# Altium PCB flight controller rev2.PcbDoc (part 2 of 3) (continued)
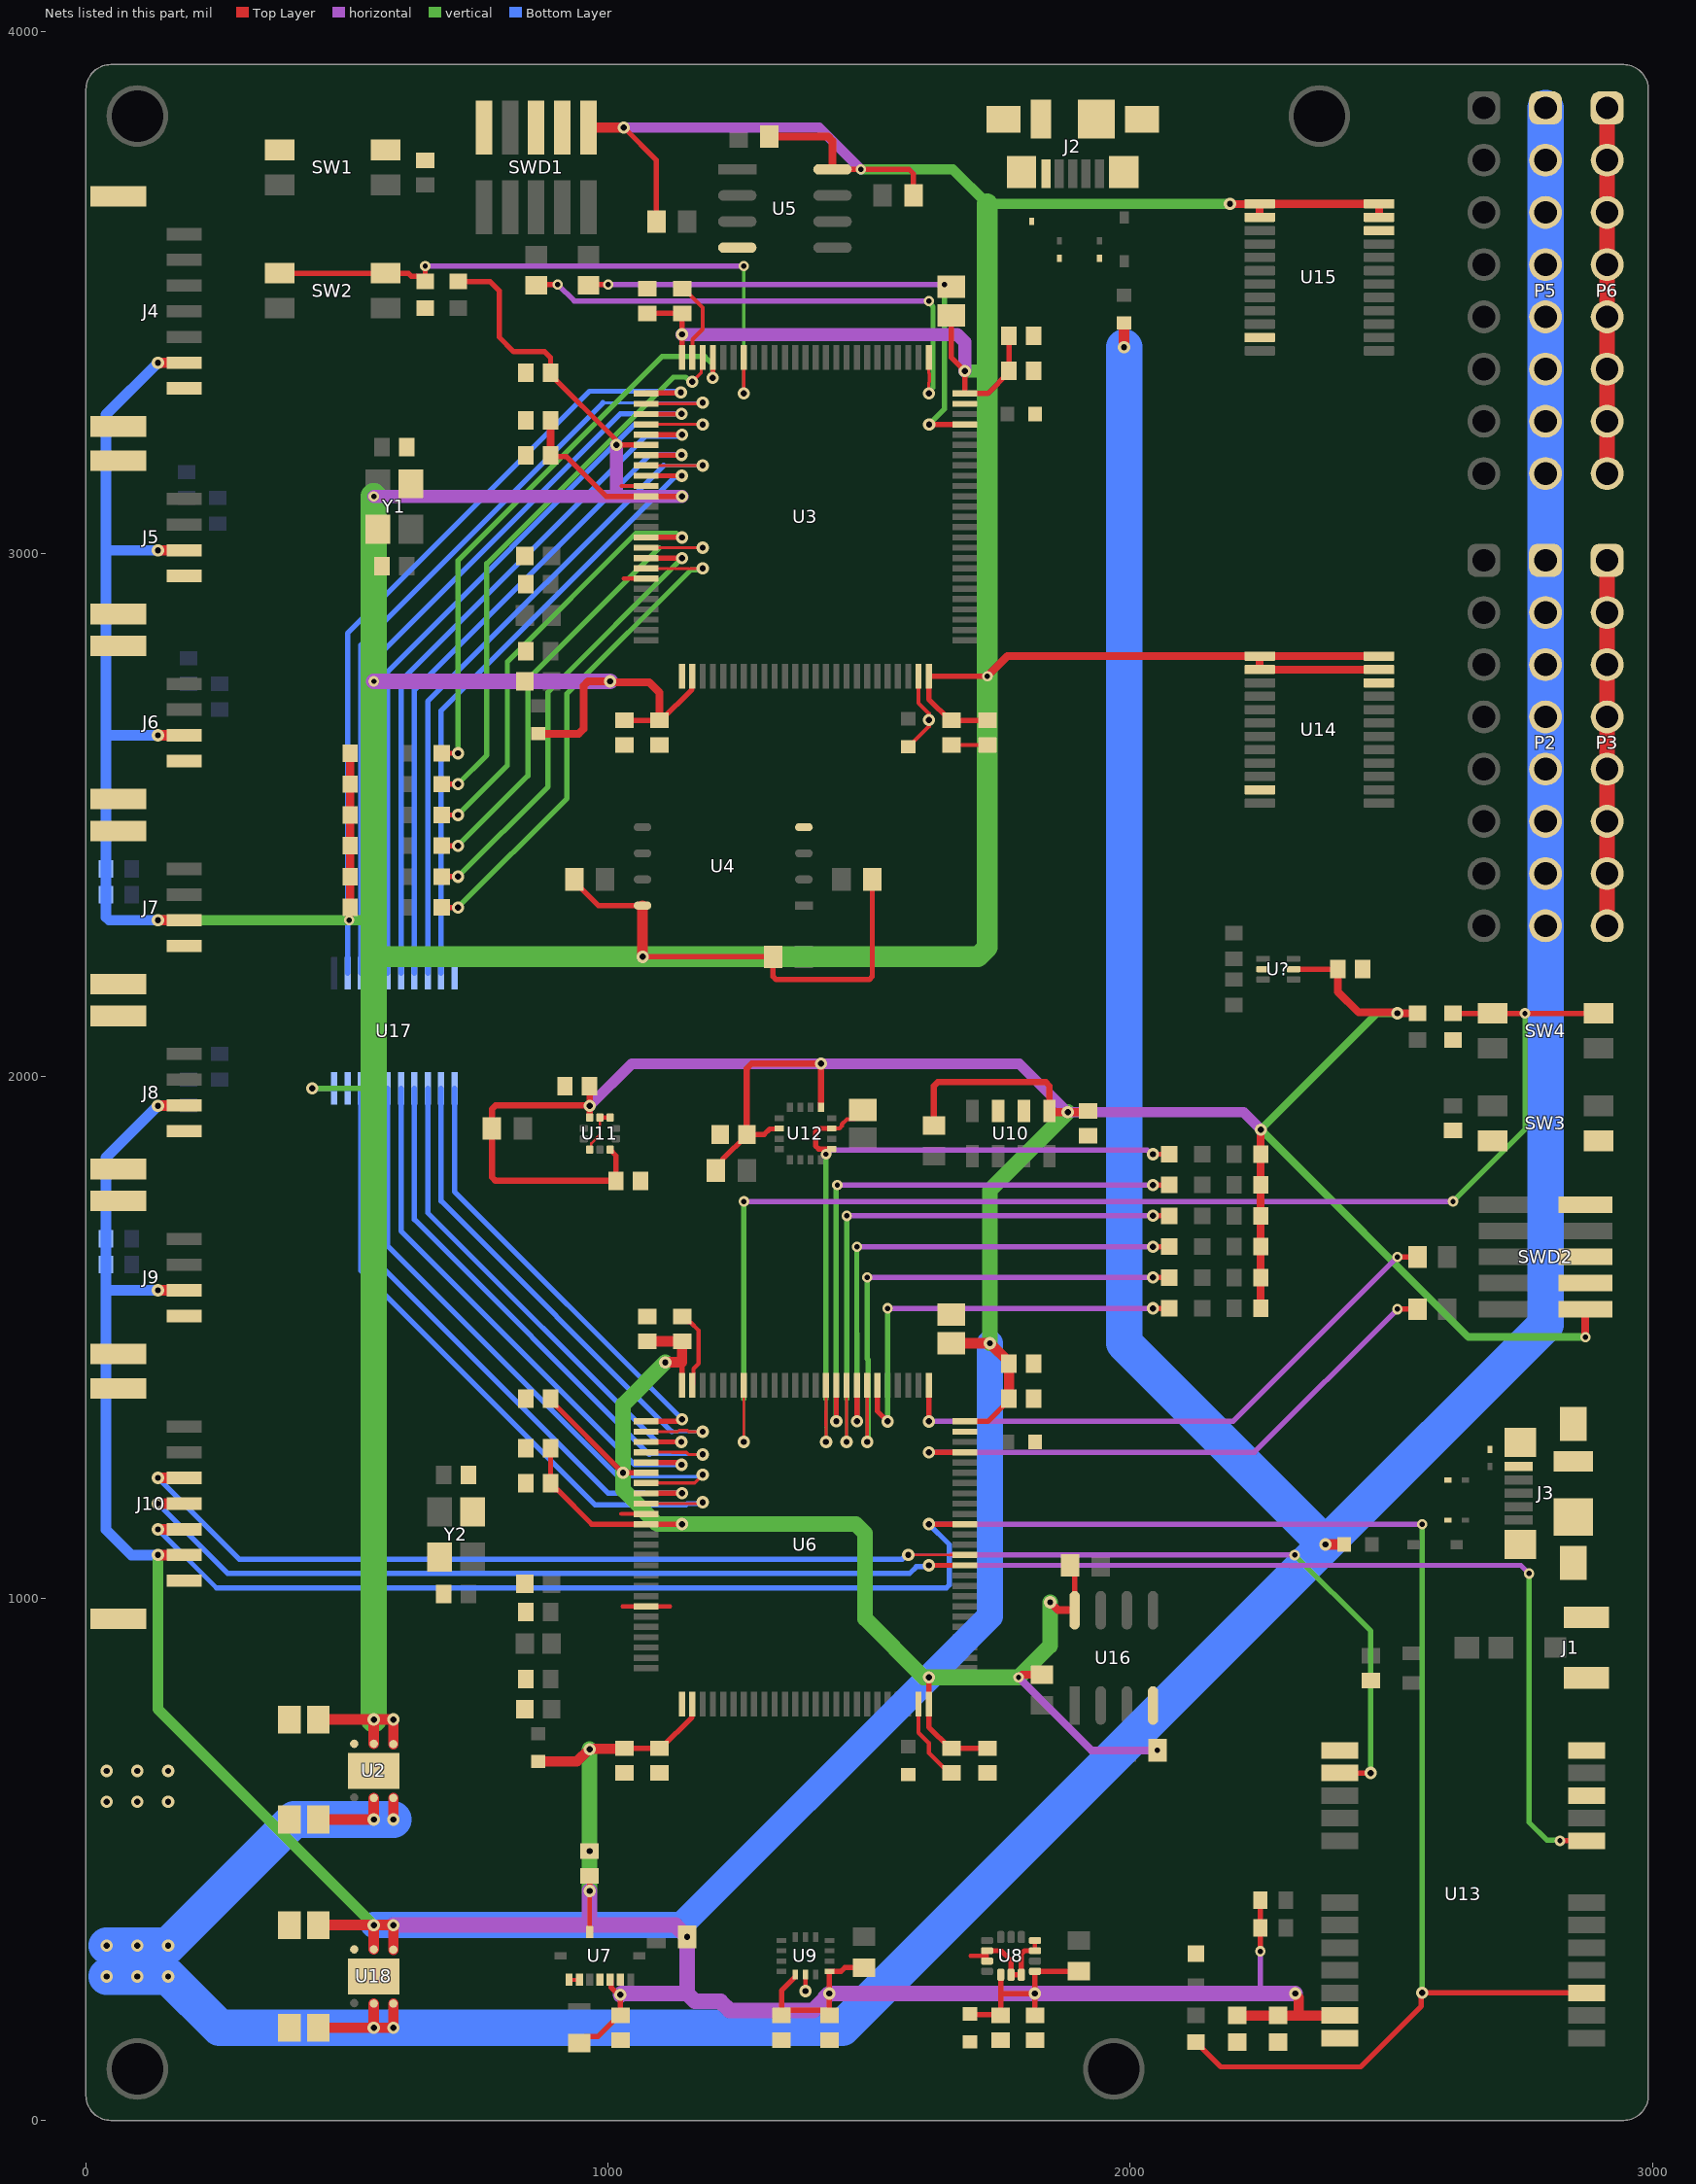
[diagram p4: the nets of this part, all layers, seen from the top]
## Part data (continued)
U17: library part CMP-0775-00065-4, "IC 2.5/3.3V FET BUS SW 20-TSSOP", Case/Package=TSSOP, High Level Output Current=-128mA, Low Level Output Current=128mA, Max Operating Temperature=85°C, Max Supply Voltage=3.6V, Min Operating Temperature=-40°C, Min Supply Voltage=2.3V, Nominal Supply Current=40uA, On-State Resistance=8.5R, Output Current=64mA, Package Quantity=1, Bandwidth=100MHz, Contact Plating=Gold, Independent Circuits=1, Lead Free="Lead Free", Mount="Surface Mount", Number of Bits=8, Number of Channels=8, Number of Elements=1, Number of Pins=20, Number of Switches=8, Packaging="Tape and Reel", Polarity=Non-Inverting, Propagation Delay=10.5ns, Quiescent Current=40uA, Radiation Hardening=No, RoHS Compliant=Yes, Series=74CB, Supply Current=40uA, Supply Type=Single, Technology=CMOS, Throw Configuration=SPST, Turn-On Delay Time=10.5ns, Weight=0.002716oz
U?: library part CMP-0859-00812-4, "IC BUFFER NON-INVERT 5.5V 6SOT", Case/Package=SOT, High Level Output Current=-32mA, Low Level Output Current=32mA, Max Operating Temperature=125°C, Max Supply Voltage=5.5V, Min Operating Temperature=-40°C, Min Supply Voltage=1.65V, Package Quantity=4000, Quiescent Current=10uA, Contact Plating=Gold, Lead Free="Lead Free", Logic Function=Buffer, Mount="Surface Mount", Number of Bits=2, Number of Bits per Element=1, Number of Channels=2, Number of Elements=2, Number of Gates=2, Number of Input Lines=2, Number Of Inputs=2, Number of Output Lines=2, Number of Outputs=2, Number of Pins=6, Packaging="Tape and Reel", Polarity=Non-Inverting, Propagation Delay=8.6ns, Radiation Hardening=No, REACH SVHC="No SVHC", RoHS Compliant=Yes, Series=74LVC, Technology=CMOS, Turn-On Delay Time=8.6ns
Y1 Y2: library part CMP-200220-000002-1, "CRYSTAL 25.0000MHZ 8PF SMD", Frequency=25MHz, Load Capacitance=8pF, Manufacturer=NDK, Package=NX3225SA, Temperature="-40°C to +125°C", Temperature Range High=+125°C, Temperature Range Low=-40°C, Tolerance=15ppm, Automotive=Yes, Automotive Grade="Grade 1", Category=Crys, ComponentLink2Description=Datasheet, ComponentLink2URL=https://www.ndk.com/images/products/catalog/c_NX3225SA-STD-CRS-2_e.pdf, Device Class L1="Passive Components", Device Class L2="Crystals / Oscillators", Device Class L3=Crystals, Digikey Description="CRYSTAL 25.0000MHZ 8PF SMD", Esr=100Ω, Height=0.6mm, Lead Free=Yes, Manufacturer Part Number=NX3225SA-25.000M-STD-CRS-2, Octopart=https://octopart.com/nx3225sa-25.000m-std-crs-2-ndk-51374293, RoHS=TRUE, Series=NX3225SA

## Free pads (board coordinates)
  round 118.11 hole 98.43: 1(98.43,3838.58) 2(2362.2,3838.58) 3(1968.5,98.43) 4(98.43,98.43)

## Via types
v1: diameter 23.62, hole 11.81, Top Layer to vertical, 133 vias
v2: diameter 23.62, hole 11.81, Top Layer to Bottom Layer, 86 vias
v3: diameter 20, hole 10, horizontal to vertical, 32 vias
v4: diameter 20, hole 10, Top Layer to vertical, 19 vias
v5: diameter 20, hole 10, Top Layer to horizontal, 12 vias
v6: diameter 23.62, hole 11.81, Top Layer to horizontal, 9 vias
v7: diameter 20, hole 10, vertical to Bottom Layer, 2 vias
v8: diameter 23.62, hole 11.81, horizontal to Bottom Layer, 1 vias

## Nets (pads, with @x,y where several pads share a name; then routed paths per layer and width w, separated by ;. In a path a pad name is that pad's centre, name@x,y a point inside that pad or via, vN(x,y) a via of type N, cw(c..) or ccw(c..) an arc to the next point about the centre after c; other vN are vias at no path point)
3V3_A: C1.1 C2.1 C3.1 C4.1 C5.1 C6.1 C7.1 C8.1 C9.1 C10.1 C11.1 C12.1 C58.1 FB1.1 J4.6 J5.3 J6.3 J7.3 R1.2 R2.1 R5.2 R6.2 R7.2 R8.2 R9.2 R10.2 R36.1 R39.1 R40.1 R41.1 R42.1 R43.1 R44.1 SWD1.1 U2.1 U2.2 U3.6 U3.11 U3.27 U3.50 U3.75 U3.100 U4.8 U5.8 U14.1 U14.2 U14.23 U14.24 U15.1 U15.2 U15.23 U15.24 U17.20 | length 15861.1
  Top Layer w10: R36.1@712.58,3521.65 773.62,3521.65 791.34,3503.94 791.34,3415.31 819.41,3387.24 878.49,3387.24 889.75,3375.98 C2.1@889.75,3346.46 ; C12.1@889.75,3186.02 920.43,3186.02 996.21,3110.24 U3.11@1072.82,3110.24 v1(1141.72,3110.24) ; C2.1@889.75,3343.5 1013.14,3220.11 1013.14,3211.27 v6(1015.75,3208.66) U3.6@1072.82,3208.66 ; R6.2@935.02,2376.58 935.02,2372.64 981.09,2326.58 U4.8@1065.91,2326.58 ; v1(1029.91,3816.54) 1092.5,3753.94 R8.2@1092.5,3636.42 ; C9.1@1031.48,2681.1 C10.1@1098.41,2681.1 ; v1(1065.91,2228.35) R7.2@1315.95,2228.35 1315.95,2190.58 1321.81,2184.72 1500.03,2184.72 1505.89,2190.58 R5.2@1505.89,2376.58 ; C3.1@1074.79,3460.63 C4.1@1141.72,3460.63 v1(1141.72,3420.28) U3.100@1141.72,3375.98 ; C10.1@1101.36,2681.1 1160.5,2740.24 1160.5,2764.84 U3.27@1161.4,2765.75 ; U5.8@1429.75,3736.42 v4(1484.16,3736.42) 1576.53,3736.42 1584.63,3728.31 R9.2@1584.63,3686.42 ; C1.1@1657.47,3456.69 1657.47,3375.98 v1(1683.06,3350.39) U3.75@1683.06,3307.09 1727.35,3307.09 1767.7,3347.44 C5.1@1767.7,3350.39 C6.1@1767.7,3420.28 ; C7.1@1726.36,2681.1 C8.1@1657.47,2681.1 1654.51,2681.1 1614.16,2721.46 U3.50@1614.16,2765.75 1614.28,2765.87 v4(1726.36,2765.87)
  Top Layer w15: v4(503.94,2298.23) 504.89,2299.18 504.89,2321.84 R44.1@505.89,2322.84 R43.1@505.89,2381.89 R42.1@505.89,2440.95 R41.1@505.89,2500 R40.1@505.89,2559.06 R39.1@505.89,2618.11 ; FB1.1@866.13,2655.72 943.95,2655.72 952.74,2664.51 952.74,2747.12 961.53,2755.91 v1(1003.92,2755.91) 1005.57,2754.26 1078.49,2754.26 1098.41,2734.33 C10.1@1098.41,2681.1 ; C12.1@889.75,3188.98 C11.1@889.75,3255.91 ; R10.2@1309.04,3799.21 1420.96,3799.21 1429.75,3790.43 U5.8@1429.75,3736.42 ; v4(1726.36,2765.87) 1764.62,2804.13 U14.1@2248.02,2804.13 ; v1(2190.88,3670.08) 2190.98,3670.18 2247.92,3670.18 U15.1@2248.02,3670.28 ; U15.2@2248.02,3644.69 U15.1@2248.02,3670.28 ; U14.23@2476.36,2778.54 U14.2@2248.02,2778.54 U14.1@2248.02,2804.13 ; U14.24@2476.36,2804.13 U14.1@2248.02,2804.13 ; U15.23@2476.36,3644.69 U15.24@2476.36,3670.28 U15.1@2248.02,3670.28
  Top Layer w20: v2(137.8,2298.23) J7.3@187.99,2298.23 ; v2(137.8,2652.56) J6.3@187.99,2652.56 ; v2(137.8,3006.89) J5.3@187.99,3006.89 ; v2(137.8,3366.14) J4.6@187.99,3366.14 ; C58.1@444.88,767.72 v2(551.18,767.72) ; U2.2@551.18,721.32 v2(551.18,767.72) ; U2.1@588.58,720.47 v2(588.58,767.72) v2(551.18,767.72) ; SWD1.1@962.19,3816.54 v1(1029.91,3816.54) ; v1(1065.91,2228.35) U4.8@1065.91,2326.58
  horizontal w20: v1(1029.91,3816.54) 1404.04,3816.54 v4(1484.16,3736.42)
  horizontal w25: v3(551.18,3110.24) 1015.75,3110.24 ; v6(1015.75,3208.66) 1015.75,3110.24 ; v1(1141.72,3110.24) 1015.75,3110.24 ; v1(1141.72,3420.28) 1668.41,3420.28 1683.06,3405.63 v1(1683.06,3350.39)
  horizontal w30: v3(551.18,2755.91) v1(1003.92,2755.91)
  vertical w10: v8(433.07,1976.38) 550.54,1976.38 551.18,1977.02
  vertical w20: v2(137.8,2298.23) v4(503.94,2298.23) 540.35,2298.23 ; v4(1484.16,3736.42) 1660.02,3736.42 1726.36,3670.08 v1(2190.88,3670.08)
  vertical w25: v1(1683.06,3350.39) 1722.82,3350.39 1726.36,3353.94
  vertical w40: 551.18,2228.35 v1(1065.91,2228.35) 1708.79,2228.35 1726.36,2245.92 v4(1726.36,2765.87) 1726.36,3353.94 1726.36,3670.08
  vertical w50: v2(551.18,767.72) 551.18,1977.02 551.18,2228.35 v3(551.18,2755.91) v3(551.18,3110.24)
  Bottom Layer w10: 38.39,2652.07 38.88,2652.56 ; v8(433.07,1976.38) U17.20@475.38,1976.38
  Bottom Layer w20: 38.88,2652.56 v2(137.8,2652.56) ; v2(137.8,2298.23) 44.24,2298.23 38.39,2304.09 R2.1@38.39,2347.44 R1.2@38.39,2396.65 38.39,2652.07 38.39,3006.89 ; v2(137.8,3006.89) 38.39,3006.89 ; v2(137.8,3366.14) 38.39,3266.73 38.39,3006.89
3V3_B: C21.1 C22.1 C23.1 C24.1 C25.1 C26.1 C27.1 C28.1 C29.1 C30.1 C31.1 C32.1 C41.1 C42.1 C43.1 C44.1 C45.1 C46.1 C47.1 C48.1 C50.1 C51.1 C52.2 C53.2 C57.1 C61.1 C?.1 FB2.1 J8.3 J9.3 J10.6 R3.2 R4.2 R13.1 R14.1 R17.2 R18.2 R19.2 R20.2 R21.2 R22.2 R23.2 R24.2 R25.2 R26.2 R38.1 R45.1 R46.1 R47.1 R48.1 R49.1 R50.1 SWD2.1 U6.6 U6.11 U6.27 U6.50 U6.75 U6.100 U7.3 U7.11 U8.5 U8.8 U9.5 U9.8 U10.1 U11.5 U11.10 U12.2 U12.13 U13.23 U16.8 U18.1 U18.2 U?.5 | length 16987.9
  Top Layer w8: U7.11@964.55,360.83 v1(964.55,439.42)
  Top Layer w10: C31.1@889.75,1287.4 C32.1@889.75,1220.47 889.75,1217.52 899.51,1207.76 902.47,1207.76 968.49,1141.73 U6.11@1072.82,1141.73 1072.88,1141.8 1141.65,1141.8 v1(1141.72,1141.86) ; C22.1@889.75,1381.89 889.75,1378.94 v1(1028.53,1240.16) U6.6@1072.82,1240.16 ; R20.2@944.87,147.64 957.58,160.35 980.22,160.35 1020.65,200.79 C42.1@1023.61,200.79 v1(1023.61,240.67) 1019.92,240.67 1013.11,247.48 1012.58,247.48 1005.81,254.24 1005.81,267.21 U7.3@1003.92,269.1 ; v1(964.55,439.42) C41.1@964.55,468.5 ; U11.5@1003.92,1859.06 1003.92,1858.27 1014.95,1847.24 C51.1@1014.95,1799.21 ; C29.1@1030.5,711.61 C29.1@1031.48,712.6 C30.1@1098.41,712.6 1101.36,712.6 1160.5,771.73 1160.5,796.34 U6.27@1161.4,797.24 U6.27@1160.95,797.7 ; U6.100@1141.72,1407.48 1141.72,1449.8 ; R25.2@1206.68,1818.9 1219.39,1831.61 1219.39,1840.67 1265.73,1887.01 C57.1@1265.73,1887.99 1298.74,1887.99 1309.45,1898.7 1326.83,1898.7 U12.2@1327.74,1899.61 ; C47.1@1332.17,200.79 C47.1@1332.17,210.55 ; U9.5@1358.25,274.69 1332.17,248.6 C47.1@1332.17,210.55 ; R23.2@1490.02,292.48 1453.37,292.48 1446.4,285.51 1423.78,285.51 U9.8@1423.71,285.43 v1(1423.71,243.11) C46.1@1423.71,200.79 1413.94,210.55 C47.1@1332.17,210.55 ; v2(1614.54,848.49) 1614.35,848.3 1614.35,797.43 U6.50@1614.16,797.24 1614.16,752.95 1654.51,712.6 C28.1@1657.47,712.6 C27.1@1726.36,712.6 ; U6.75@1683.06,1338.58 1727.35,1338.58 1767.7,1378.94 C25.1@1767.7,1381.89 ; C43.1@1692.78,203.74 1694.26,202.26 1750.48,202.26 C45.1@1751.95,200.79 U8.5@1751.95,278.94 ; 1755.2,242.56 v1@1816.95,242.56 ; C44.1@1817.5,200.79 v1(1817.5,243.11) U8.8@1817.5,285.43 R22.2@1901.56,285.43 ; R18.2@1884.43,1062.99 1893.49,1053.94 U16.8@1893.49,977.01 ; v5(2249.02,323.82) R13.1@2249.02,368.85 R14.1@2249.02,421.26 ; U?.5@2312.6,2204.72 C?.1@2397.64,2204.72
  Top Layer w12: U11.10@964.55,1920.47 v1(964.55,1943.15) ; C50.1@964.55,1980.32 v1(964.55,1943.15) ; C51.1@1014.95,1799.21 784.57,1799.21 777.54,1806.24 R26.2@777.54,1899.61 777.54,1936.87 784.57,1943.9 963.8,1943.9 v1(964.55,1943.15) ; C57.1@1265.73,1888.98 1265.73,2014.84 1274.52,2023.62 v1(1407.46,2023.62) U12.13@1407.46,1939.96 ; R24.2@1624,1905.51 1624,1981.16 1631.03,1988.19 1838.43,1988.19 1845.46,1981.16 U10.1@1845.46,1933.07
  Top Layer w15: v4(1786.11,848.49) 1787.46,848.49 1792.68,853.7 R19.2@1830.69,853.7 ; U10.1@1845.46,1933.07 1847.75,1930.78 v1(1880.24,1930.78) 1916.99,1930.78 C48.1@1919.28,1933.07 ; v1(1846.46,992.13) 1861.57,977.01 U16.8@1892.49,977.01 ; v5(2051.81,708.66) R17.2@2052.54,708.66 ; R45.1@2249.98,1555.12 R46.1@2249.98,1614.17 R47.1@2249.98,1673.23 R48.1@2249.98,1732.28 R49.1@2249.98,1791.34 R50.1@2249.98,1850.39 v1(2249.98,1897.58) ; C?.1@2397.64,2204.72 2397.64,2161.42 2437.33,2121.73 2510.15,2121.73 v1(2511.8,2120.08) R38.1@2550.18,2120.08 ; v4(2871.64,1500) SWD2.1@2871.64,1553.54
  Top Layer w20: v2(137.8,1082.68) J10.6@187.99,1082.68 ; v2(137.8,1589.57) J9.3@187.99,1589.57 ; v2(137.8,1943.15) 138.17,1943.52 187.62,1943.52 J8.3@187.99,1943.9 ; C61.1@444.88,374.02 v2(551.18,374.02) ; U18.2@551.18,327.62 v2(551.18,374.02) ; U18.1@588.58,326.77 v2(588.58,374.02) v2(551.18,374.02) ; FB2.1@866.13,687.22 940.16,687.22 963.57,710.63 v1(964.55,710.63) ; v1@965.54,711.61 C29.1@1030.5,711.61 ; C23.1@1074.79,1492.13 C24.1@1141.72,1492.13 1141.72,1451.77 v1(1109.41,1451.77) ; C21.1@1657.47,1488.19 v2(1731.28,1488.19) 1767.7,1451.77 C26.1@1767.7,1448.82 C25.1@1767.7,1381.89 ; C52.2@2204.71,200.79 C53.2@2283.45,200.79 2322.83,200.79 ; v1(2315.94,243.11) 2315.94,242.13 2322.83,235.24 2322.83,200.79 ; U13.23@2401.56,200.79 2322.83,200.79
  horizontal w10: 2249.02,243.11 v5(2249.02,323.82)
  horizontal w15: v4(1786.11,848.49) 1925.93,708.66 v5(2051.81,708.66)
  horizontal w20: v1(964.55,1943.15) 1045.02,2023.62 v1(1407.46,2023.62) 1787.4,2023.62 v1(1880.24,1930.78) 2216.78,1930.78 v1(2249.98,1897.58)
  horizontal w30: v2(588.58,374.02) 1128.79,374.02 v1(1151.27,351.54) 1151.27,243.11 ; 964.55,380.36 v1(964.55,439.42) ; v1(1023.61,240.67) 1026.05,243.11 1151.27,243.11 ; v1(2315.94,243.11) 2249.02,243.11 v1(1817.5,243.11) v1(1423.71,243.11) 1414.75,234.15 1414.75,232.23 1393.19,210.67 1232.51,210.67 1215.27,227.91 1166.47,227.91 1151.27,243.11
  vertical w15: v1(2511.8,2120.08) 2472.48,2120.08 v1(2249.98,1897.58) 2647.57,1500 v4(2871.64,1500)
  vertical w20: v2(137.8,1082.68) 137.8,787.4 v2(551.18,374.02)
  vertical w30: v1(964.55,439.42) v1(964.55,710.63) ; v1(1109.41,1451.77) 1028.53,1370.89 v1(1028.53,1240.16) 1028.53,1207.69 1094.36,1141.86 v1(1141.72,1141.86) 1474.55,1141.86 1492.13,1124.28 1492.13,960.88 1604.52,848.49 v2(1614.54,848.49) v4(1786.11,848.49) 1846.46,908.83 v1(1846.46,992.13) ; v2(1731.28,1488.19) 1731.28,1781.83 v1(1880.24,1930.78)
  Bottom Layer w20: v2(137.8,1082.68) 86.87,1082.68 38.39,1131.16 38.39,1586.61 ; v2(137.8,1589.57) 41.34,1589.57 38.39,1586.61 ; v2(137.8,1943.15) 38.39,1843.74 R3.2@38.39,1687.99 R4.2@38.39,1638.78 38.39,1586.61
  Bottom Layer w50: v2(551.18,374.02) v2(588.58,374.02) 1140.07,374.02 v2(1614.54,848.49) 1731.28,965.23 v2(1731.28,1488.19)
+5: C59.1 C60.1 FB4.2 FB5.2 P2.1 P2.2 P2.3 P2.4 P2.5 P2.6 P2.7 P2.8 P5.1 P5.2 P5.3 P5.4 P5.5 P5.6 P5.7 P5.8 U2.5 U2.6 U18.5 U18.6 | length 9293.2
  Top Layer w20: C60.1@444.88,177.17 v2(551.18,177.17) ; C59.1@444.88,576.18 v2(551.18,576.18) U2.5@551.18,617.27 ; U18.5@551.18,223.57 v2(551.18,177.17) ; U18.6@588.58,223.57 v2(588.58,177.17) v2(551.18,177.17) ; v2(588.58,576.18) U2.6@588.58,617.27 ; v2(1988.17,3395.87) FB4.2@1988.17,3442.13 ; v2(2374.02,1102.85) FB5.2@2409.43,1102.85
  Bottom Layer w70: v2(39.37,275.59) v2(157.48,275.59) 255.91,177.17 v2(551.18,177.17) v2(588.58,177.17) 1448.33,177.17 v2(2374.02,1102.85) ; v2(39.37,334.65) v2(157.48,334.65) 399.02,576.18 v2(551.18,576.18) v2(588.58,576.18) ; v2(1988.17,3395.87) 1988.17,1488.7 v2(2374.02,1102.85) ; P5.1@2795.26,3853.94 P5.2@2795.26,3753.94 P5.3@2795.26,3653.94 P5.4@2795.26,3553.94 P5.5@2795.26,3453.94 P5.6@2795.26,3353.94 P5.7@2795.26,3253.94 P5.8@2795.26,3153.94 P2.1@2795.26,2987.8 P2.2@2795.26,2887.8 P2.3@2795.26,2787.8 P2.4@2795.26,2687.8 P2.5@2795.26,2587.8 P2.6@2795.26,2487.8 P2.7@2795.26,2387.8 P2.8@2795.26,2287.8 2795.26,1524.1 v2(2374.02,1102.85)
  other v2: 98.43,275.59 98.43,334.65
BOOT0_CP: R37.2 SW4.1 SW4.3 U6.94 | length 2622.9
  Top Layer w5: v1(1259.83,1299.21) U6.94@1259.83,1407.48
  Top Layer w10: R37.2@2618.1,2120.08 SW4.1@2896.64,2120.08
  horizontal w10: v3(1260.02,1759.84) v3(2618.1,1759.84)
  vertical w5: v1(1259.83,1299.21) 1259.92,1299.31 1259.92,1381.89
  vertical w10: 1259.92,1381.89 1260.02,1381.98 v3(1260.02,1759.84) ; v3(2618.1,1759.84) 2755.91,1897.65 v4(2755.91,2120.08)
BOOT0_MP: R35.2 SW2.1 SW2.3 U3.94 | length 1237.7
  Top Layer w6: v1(1259.83,3307.09) U3.94@1259.83,3375.98
  Top Layer w10: SW2.3@371.05,3537.4 SW2.1@573.8,3537.4 617.35,3537.4 623.33,3531.42 639.83,3531.42 R35.2@649.59,3521.65 v5(649.59,3551.18)
  horizontal w10: v5(649.59,3551.18) v3(1259.7,3551.18)
  vertical w6: v3(1259.7,3551.18) 1259.83,3551.05 v1(1259.83,3307.09)
DEBUG_JTMS-SWCLK_CP: R32.2 U6.76 | length 1135.3
  Top Layer w10: U6.76@1614.16,1407.48 1614.22,1407.42 1614.22,1338.65 v1(1614.28,1338.58) ; v5(2511.8,1653.54) R32.2@2550.18,1653.54
  horizontal w10: v1(1614.28,1338.58) 2196.84,1338.58 v5(2511.8,1653.54)
DEBUG_JTMS-SWCLK_MP: R30.2 U3.76 | length 1019
  Top Layer w6: v1(1614.16,3307.09) 1614.16,3328.13 1615.19,3329.16 1615.19,3345.57 1614.16,3346.6 U3.76@1614.16,3375.98
  Top Layer w10: R30.2@862.19,3514.76 863.17,3515.75 v5(903.53,3515.75)
  horizontal w10: v5(903.53,3515.75) 935.02,3484.25 v3(1614.16,3484.25)
  vertical w10: v1(1614.16,3307.09) 1614.16,3310.77 1622.19,3318.8 1622.19,3473.52 1614.16,3481.55 v3(1614.16,3484.25)
DEBUG_JTMS-SWDIO_CP: R31.2 U6.72 | length 1118.4
  Top Layer w10: v1(1614.16,1279.53) U6.72@1683.06,1279.53 ; v5(2511.8,1553.54) R31.2@2550.18,1553.54
  horizontal w10: v1(1614.16,1279.53) 2237.78,1279.53 v5(2511.8,1553.54)
DEBUG_JTMS-SWDIO_MP: R29.2 U3.72 | length 1031
  Top Layer w10: R29.2@962.19,3514.76 963.17,3515.75 v5(999.98,3515.75) ; v1(1614.73,3248.03) U3.72@1683.06,3248.03
  horizontal w10: v5(999.98,3515.75) v3(1644.43,3515.75)
  vertical w10: v1(1614.73,3248.03) 1644.43,3277.73 v3(1644.43,3515.75)
DEBUG_LED1_CP: D10.1 U6.81 | length 833
  Top Layer w10: U6.81@1515.73,1407.48 1515.73,1358.27 v1(1535.42,1338.58) ; v1(2043.49,1555.12) D10.1@2074.79,1555.12
  horizontal w10: v3(1535.42,1555.12) v1(2043.49,1555.12)
  vertical w10: v1(1535.42,1338.58) v3(1535.42,1555.12)
DEBUG_LED1_MP: D4.1 U3.97 | length 1120.5
  Top Layer w10: D4.1@681.09,2618.11 v1(712.39,2618.11) ; v1(1200.39,3337.36) 1200.58,3337.55 1200.58,3375.8 U3.97@1200.77,3375.98
  vertical w10: v1(712.39,2618.11) 712.39,2987.01 1103.33,3377.95 1185.02,3377.95 1200.39,3362.58 v1(1200.39,3337.36)
DEBUG_LED2_CP: D11.1 U6.82 | length 1003.9
  Top Layer w6: v1(1496.11,1299.28) 1496.11,1330.41 1496.36,1330.66 1496.36,1358.63 1496.11,1358.89 U6.82@1496.11,1407.54
  Top Layer w10: v1(2043.49,1614.17) D11.1@2074.79,1614.17
  horizontal w10: v3(1496.11,1614.17) v1(2043.49,1614.17)
  vertical w10: v1(1496.11,1299.28) 1498.36,1301.53 1498.36,1456.44 1496.11,1458.69 v3(1496.11,1614.17)
DEBUG_LED2_MP: D5.1 U3.98 | length 1076.5
  Top Layer w6: v1(1161.4,3329.53) 1178.18,3346.31 1178.18,3373.08 U3.98@1181.09,3375.98
  Top Layer w10: D5.1@681.09,2559.06 v1(712.39,2559.06)
  vertical w10: v1(712.39,2559.06) 767.7,2614.37 767.7,2981.33 1124.95,3338.58 1148.67,3338.58 1157.72,3329.53 v1(1161.4,3329.53)
DEBUG_LED3_CP: D12.1 U6.83 | length 1001.5
  Top Layer w10: U6.83@1476.36,1407.48 1476.46,1407.39 1476.46,1338.96 v1(1476.55,1338.87) ; v1(2043.49,1673.23) D12.1@2074.79,1673.23
  horizontal w10: v3(1476.74,1673.23) v1(2043.49,1673.23)
  vertical w10: v1(1476.55,1338.87) 1476.55,1506.66 1476.11,1507.1 1476.11,1672.6 v3(1476.74,1673.23)
DEBUG_LED3_MP: D6.1 U3.15 | length 872.6
  Top Layer w10: D6.1@681.09,2500 v1(712.39,2500) ; U3.15@1072.82,3031.5 v1(1141.72,3031.5)
  vertical w10: v1(712.39,2500) 807.07,2594.69 807.07,2793.31 1053.13,3039.37 1130.16,3039.37 1138.03,3031.5 v1(1141.72,3031.5)
DEBUG_LED4_CP: D13.1 U6.84 | length 1159.2
  Top Layer w6: v1(1456.74,1299.28) U6.84@1456.74,1407.54
  Top Layer w10: v1(2043.49,1732.28) D13.1@2074.79,1732.28
  horizontal w10: v3(1456.93,1732.28) v1(2043.49,1732.28)
  vertical w6: v1(1456.74,1299.28) 1456.74,1381.89
  vertical w10: 1456.74,1381.89 1456.74,1732.1 v3(1456.93,1732.28)
DEBUG_LED4_MP: D7.1 U3.16 | length 953.2
  Top Layer w6: U3.16@1072.82,3011.81 1121.62,3011.81 1121.75,3011.69 1149.92,3011.69 1150.05,3011.81 v1(1181.09,3011.81)
  Top Layer w10: D7.1@681.09,2440.95 v1(712.39,2440.95)
  vertical w6: 1098.41,3011.81 1098.54,3011.69 1153.17,3011.69 1153.29,3011.81 v1(1181.09,3011.81)
  vertical w10: v1(712.39,2440.95) 846.44,2575 846.44,2759.84 1098.41,3011.81
DEBUG_LED5_CP: D14.1 U6.85 | length 1158.3
  Top Layer w10: v1(1436.93,1338.65) 1436.99,1338.71 U6.85@1436.99,1407.48 ; v1(2043.49,1791.34) D14.1@2074.79,1791.34
  horizontal w10: v3(1438.87,1791.34) v1(2043.49,1791.34)
  vertical w10: v1(1436.93,1338.65) 1436.93,1786.7 1438.87,1788.63 v3(1438.87,1791.34)
DEBUG_LED5_MP: D8.1 U3.17 | length 888.1
  Top Layer w10: D8.1@681.09,2381.89 v1(712.39,2381.89) ; U3.17@1072.82,2992.13 1072.95,2992 1141.59,2992 v1(1141.72,2991.87)
  vertical w10: v1(712.39,2381.89) 884.83,2554.33 884.83,2734.98 v1(1141.72,2991.87)
DEBUG_LED6_CP: D15.1 U6.86 | length 1323.7
  Top Layer w6: v1(1417.37,1299.28) 1417.37,1330.19 1417.12,1330.44 1417.12,1358.52 1417.37,1358.78 U6.86@1417.37,1407.54
  Top Layer w10: v1(2043.49,1850.39) D15.1@2074.79,1850.39
  horizontal w10: v3(1417.37,1850.39) 1420.08,1850.39 1427.95,1858.27 2031.93,1858.27 2039.8,1850.39 v1(2043.49,1850.39)
  vertical w6: v1(1417.37,1299.28) 1417.37,1327.01 1417.12,1327.26 1417.12,1354.45 1417.37,1354.7 1417.37,1381.89
  vertical w10: 1417.37,1381.89 v3(1417.37,1850.39)
DEBUG_LED6_MP: D9.1 U3.18 | length 994.3
  Top Layer w6: U3.18@1073.2,2972.06 v1(1181.09,2972.06)
  Top Layer w10: D9.1@681.09,2322.84 v1(712.39,2322.84)
  vertical w10: v1(712.39,2322.84) 921.24,2531.69 921.24,2732.27 1158.43,2969.46 1178.48,2969.46 v1(1181.09,2972.06)
GND: C1.2 C2.2 C3.2 C4.2 C5.2 C6.2 C7.2 C8.2 C9.2 C10.2 C11.2 C12.2 C13.2 C14.2 C15.2 C16.2 C17.2 C18.2 C19.1 C20.1 C21.2 C22.2 C23.2 C24.2 C25.2 C26.2 C27.2 C28.2 C29.2 C30.2 C31.2 C32.2 C33.2 C34.2 C35.2 C36.2 C37.2 C38.2 C39.1 C40.1 C41.2 C42.2 C43.2 C44.2 C45.2 C46.2 C47.2 C48.2 C49.2 C50.2 C51.2 C52.1 C53.1 C54.2 C55.2 C56.2 C57.2 C58.2 C59.2 C60.2 C61.2 C?.2 D1.1 D16.2 D17.2 D18.2 D19.2 D20.2 D21.2 J1.2 J1.3 J2.5 J2.6 J2.7 J2.8 J2.9 J2.10 J2.11 J3.5 J3.6 J3.7 J3.8 J3.9 J3.10 J3.11 J4.7 J4.8 J4.9 J5.4 J5.5 J5.6 J6.4 J6.5 J6.6 J7.4 J7.5 J7.6 J8.4 J8.5 J8.6 J9.4 J9.5 J9.6 J10.7 J10.8 J10.9 P3.1 P3.2 P3.3 P3.4 P3.5 P3.6 P3.7 P3.8 P6.1 P6.2 P6.3 P6.4 P6.5 P6.6 P6.7 P6.8 R35.1 R37.1 SW1.2 SW1.4 SW3.2 SW3.4 SWD1.3 SWD1.5 SWD1.9 SWD2.3 SWD2.5 SWD2.9 U2.3 U2.7 U3.10 U3.19 U3.26 U3.49 U3.74 U3.99 U4.4 U5.4 U6.10 U6.19 U6.26 U6.49 U6.74 U6.99 U7.2 U7.4 U7.6 U7.7 U8.2 U8.3 U8.6 U8.7 U8.10 U8.11 U9.6 U10.2 U10.3 U11.3 U11.8 U11.9 U12.9 U12.11 U13.10 U13.12 U13.13 U13.24 U14.11 U14.22 U15.11 U15.22 U16.4 U17.10 U17.19 U18.3 U18.7 U?.2 Y1.2 Y1.4 Y2.2 Y2.4 | length 2880.6
  Top Layer w5: U11.3@964.55,1859.06 967.77,1862.28 967.77,1870.64 984.24,1887.1 U11.9@984.24,1920.47
  Top Layer w8: U7.7@925.18,269.1 U7.6@944.87,269.1 ; U11.9@984.24,1920.47 U11.8@1003.92,1920.47 ; 1025.24,1161.42 U6.10@1072.82,1161.42 ; 1025.53,3129.92 U3.10@1072.82,3129.92 ; 1027.74,984.25 U6.19@1072.82,984.25 1118.74,984.25 ; 1030.09,2952.76 U3.19@1072.82,2952.76 ; C24.2@1141.72,1539.37 1152.48,1528.61 1157.52,1528.61 1173.43,1512.69 1173.43,1449.55 1163.31,1439.42 1163.31,1409.39 U6.99@1161.4,1407.48 ; C4.2@1141.72,3507.87 1144.67,3507.87 1181.09,3471.46 1181.09,3430.22 1161.4,3410.53 U3.99@1161.4,3375.98 ; v6(1377.94,247.48) U9.6@1377.94,279.04 ; U12.11@1428.13,1899.61 1443.01,1899.61 1447.6,1904.19 1447.6,1907.37 1457.61,1917.39 1470.52,1917.39 C49.2@1488.17,1935.04 ; C20.1@1574.79,2630.91 1575.77,2630.91 1614.16,2669.29 1614.16,2694.59 1594.47,2714.27 U3.49@1594.47,2765.75 ; U6.49@1594.47,797.24 1594.47,742.24 1614.21,722.5 1614.21,703.57 1641.67,676.12 1646.7,676.12 C28.2@1657.47,665.35 ; C8.2@1657.47,2633.86 C7.2@1726.36,2633.86 ; 1693.93,314.96 1725.77,314.96 ; U8.3@1725.77,305.12 1725.77,314.96 ; U8.2@1725.77,324.8 1725.77,314.96 ; U8.10@1817.5,324.8 U8.11@1817.5,344.49
  Top Layer w10: U12.9@1428.13,1860.24 1403.19,1860.24 1397.33,1866.09 1397.33,1893.75 1403.19,1899.61 U12.11@1428.13,1899.61 ; U8.2@1725.77,324.8 1752.58,324.8 1771.64,305.75 U8.6@1771.64,278.94 U8.7@1791.32,278.94 1791.32,318.95 1797.18,324.8 U8.10@1817.5,324.8
  Top Layer w30: P3.8@2913.37,2287.8 P3.1@2913.37,2987.8 ; P6.8@2913.37,3153.94 P6.1@2913.37,3853.94
  other v2: 39.37,610.24 98.43,610.24 157.48,610.24 39.37,669.29 98.43,669.29 157.48,669.29
  other v6: 964.55,515.75 1614.16,2681.94
GPIO_01_CP: U6.1 U17.11 | length 884.6
  Top Layer w10: U6.1@1072.82,1338.58 1133.6,1338.58 1137.91,1342.89 v2(1141.59,1342.89)
  Bottom Layer w10: U17.11@705.69,1976.38 705.69,1950.79 705.69,1778.78 v2(1141.59,1342.89)
GPIO_01_MP: U3.9 U17.9 | length 1218.6
  Top Layer w10: U3.9@1072.82,3149.61 1072.88,3149.54 1141.08,3149.54 v2(1141.14,3149.48)
  Bottom Layer w10: U17.9@680.1,2196.85 680.1,2699.8 1127.17,3146.87 1138.54,3146.87 v2(1141.14,3149.48)
GPIO_02_CP: U6.2 U17.12 | length 1009.6
  Top Layer w6: U6.2@1072.82,1318.9 1121.62,1318.9 1121.75,1319.02 1133.51,1319.02 1135.51,1321.02 1151.92,1321.02 1154.05,1318.9 v2(1181.09,1318.9)
  Bottom Layer w6: 1121.85,1319.08 1180.91,1319.08 v2(1181.09,1318.9)
  Bottom Layer w10: U17.12@680.1,1976.38 680.1,1760.83 1121.85,1319.08
GPIO_02_MP: U3.8 U17.8 | length 1343
  Top Layer w6: U3.8@1073.31,3169.78 1073.8,3169.29 v2(1181.09,3169.29)
  Top Layer w10: U3.8@1072.82,3169.29 U3.8@1073.31,3169.78
  Bottom Layer w6: 1106.28,3169.29 v2(1181.09,3169.29)
  Bottom Layer w10: U17.8@654.51,2196.85 654.51,2717.52 1106.28,3169.29
GPIO_03_CP: U6.3 U17.13 | length 973.1
  Top Layer w10: U6.3@1072.82,1299.21 v2(1140.21,1299.27)
  Bottom Layer w10: U17.13@654.51,1976.38 654.51,1738.19 1093.44,1299.27 v2(1140.21,1299.27)
GPIO_03_MP: U3.7 U17.7 | length 1308.9
  Top Layer w10: U3.7@1072.82,3188.98 1073.2,3189.36 1140.31,3189.36 v2(1140.69,3189.74)
  Bottom Layer w10: U17.7@628.92,2196.85 628.92,2739.17 1079.48,3189.74 v2(1140.69,3189.74)
GPIO_04_CP: U6.4 U17.14 | length 1099.6
  Top Layer w6: U6.4@1072.82,1279.53 1121.62,1279.53 1121.75,1279.4 1149.92,1279.4 1154.05,1275.28 v2(1181.09,1275.28)
  Bottom Layer w6: 1079.05,1275.28 v2(1181.09,1275.28)
  Bottom Layer w10: U17.14@628.92,1976.38 628.92,1725.41 1079.05,1275.28
GPIO_04_MP: U3.5 U17.6 | length 1362.6
  Top Layer w10: U3.5@1072.82,3228.35 v2(1141.72,3228.35)
  Bottom Layer w10: U17.6@603.33,2196.85 603.33,2756.89 1072.18,3225.74 1139.11,3225.74 v2(1141.72,3228.35)
GPIO_05_CP: U6.5 U17.15 | length 1065.9
  Top Layer w10: U6.5@1072.82,1259.84 1132.7,1259.84 1137.08,1255.47 v2(1140.76,1255.47)
  Bottom Layer w10: U17.15@603.33,1976.38 603.33,1703.15 1051.02,1255.47 v2(1140.76,1255.47)
GPIO_05_MP: U3.4 U17.5 | length 1481.5
  Top Layer w6: U3.4@1077.06,3248.05 1133.4,3248.05 1133.51,3248.16 1152.75,3248.16 1152.88,3248.03 v2(1181.09,3248.03)
  Bottom Layer w6: 577.74,2731.11 577.74,2734.58 ; 1051.17,3248.16 1180.96,3248.16 v2(1181.09,3248.03)
  Bottom Layer w10: U17.5@577.74,2196.85 577.74,2731.11 ; 577.74,2734.58 577.74,2774.73 1051.17,3248.16
GPIO_06_CP: U6.7 U17.16 | length 1204.5
  Top Layer w6: U6.7@1072.82,1220.47 1129.39,1220.47 1129.64,1220.72 1165.59,1220.72 v2(1181.09,1236.22)
  Bottom Layer w6: 1019.1,1232.86 1177.73,1232.86 v2(1181.09,1236.22)
  Bottom Layer w10: U17.16@577.74,1976.38 577.74,1674.21 1019.1,1232.86
GPIO_06_MP: U3.3 U17.4 | length 1452.1
  Top Layer w10: U3.3@1072.82,3267.72 1072.95,3267.84 1140.7,3267.84 v2(1140.83,3267.97)
  Bottom Layer w10: U17.4@552.15,2196.85 552.15,2797.08 1023.04,3267.97 v2(1140.83,3267.97)
GPIO_07_CP: U6.8 U17.17 | length 1171.5
  Top Layer w10: U6.8@1072.82,1200.79 1072.88,1200.85 1141.65,1200.85 v2(1141.72,1200.91)
  Bottom Layer w10: U17.17@552.15,1976.38 552.15,1649.02 1000.25,1200.91 v2(1141.72,1200.91)
GPIO_07_MP: U3.2 U17.3 | length 1584
  Top Layer w6: U3.2@1073.2,3287.78 1073.33,3287.91 1179.63,3287.91 v2(1181.09,3289.37)
  Bottom Layer w6: 526.56,2716.7 526.56,2720.17 ; 990.14,3289.37 v2(1181.09,3289.37)
  Bottom Layer w10: U17.3@526.56,2196.85 526.56,2716.7 ; 526.56,2720.17 526.56,2825.79 990.14,3289.37
GPIO_08_CP: U6.9 U17.18 | length 1300.7
  Top Layer w6: U6.9@1072.82,1181.1 1178.44,1181.1 v2(1181.09,1183.75)
  Bottom Layer w10: U17.18@526.56,1976.38 526.56,1626.97 974.43,1179.1 1149.28,1179.1 1151.32,1181.15 1178.48,1181.15 v2(1181.09,1183.75)
GPIO_08_MP: U3.1 U17.2 | length 1549.5
  Top Layer w10: U3.1@1072.82,3307.09 1073.73,3307.99 1137.91,3307.99 v2(1139.1,3309.18)
  Bottom Layer w10: U17.2@500.97,2196.85 500.97,2848.01 964.55,3311.59 1136.69,3311.59 v2(1139.1,3309.18)
GPS_LNA_EN: J10.3 U6.62 U13.14 | length 2990.4
  Top Layer w5: v2(1574.79,1082.8) v2(1574.79,1082.8) 1682.99,1082.74 U6.62@1683.06,1082.68
  Top Layer w10: v2(137.8,1230.31) J10.3@187.99,1230.31 ; U13.14@2401.56,665.35 v1(2460.61,665.35)
  Top Layer w20: v2(137.8,1230.31) J10.3@187.99,1230.31
  horizontal w5: v2(1574.79,1082.8) 1574.91,1082.68 1657.47,1082.68
  horizontal w10: 1657.47,1082.68 v3(2314.95,1082.68)
  vertical w10: v3(2314.95,1082.68) 2460.61,937.01 v1(2460.61,665.35)
  Bottom Layer w10: v2(137.8,1230.31) 293.31,1074.8 1563.1,1074.8 1571.1,1082.8 v2(1574.79,1082.8)
GPS_nRESET: J10.4 U6.61 U13.8 | length 3464.9
  Top Layer w10: v2(137.8,1181.1) J10.4@187.99,1181.1 ; v2(1614.54,1062.99) U6.61@1683.06,1062.99 ; v4(2822.82,535.43) U13.8@2874,535.43
  Top Layer w20: v2(137.8,1181.1) J10.4@187.99,1181.1
  horizontal w10: v2(1614.54,1062.99) 2306.35,1062.99 2306.66,1062.68 2323.23,1062.68 2323.54,1062.99 2748.02,1062.99 v3(2763.76,1047.24)
  vertical w10: v3(2763.76,1047.24) 2763.76,570.87 2797.82,536.81 2821.44,536.81 v4(2822.82,535.43)
  Bottom Layer w10: v2(137.8,1181.1) 271.65,1047.24 1007.7,1047.24 1577.15,1047.24 1590.29,1060.39 1611.93,1060.39 v2(1614.54,1062.99)
GPS_TIMEPULSE: J10.5 R27.1 U6.65 U13.3 | length 4550.6
  Top Layer w10: v2(137.8,1131.89) J10.5@187.99,1131.89 ; v2(1614.16,1141.86) 1614.22,1141.8 U6.65@1683.06,1141.73 U6.65@1683.06,1141.73 ; R27.1@2125.97,149.61 2127.94,149.61 2137.7,139.84 2137.7,137.87 2173.21,102.36 2440.94,102.36 2557.44,218.86 2557.44,242.56 v1(2558.98,244.09) U13.3@2874,244.09
  Top Layer w20: v2(137.8,1131.89) J10.5@187.99,1131.89
  horizontal w10: v2(1614.16,1141.86) 1614.22,1141.8 2558.98,1141.8 v3(2559.04,1141.73)
  vertical w10: v1@2559.01,244.13 v3@2559.01,1141.7
  Bottom Layer w10: v2(137.8,1131.89) 250,1019.69 1007.7,1019.69 1647.69,1019.69 1653.54,1025.54 1653.54,1102.47 v2(1614.16,1141.86)